# Altium PCB RHR075_GFC_ECAT_DNET_RS485_ALL_rev5.PcbDoc (part 4 of 4)
Units mil, origin at the board's own origin, x right, y up, seen from the top; angles counter-clockwise.
Board outline 4724.41 x 5905.51 mil, 4 copper layers (Top Layer, GND, Mid-Layer 1, Bottom Layer); 386 components, 228 nets, 1523 pads, 966 vias.
Unrouted connection lines stored in the file: 1.
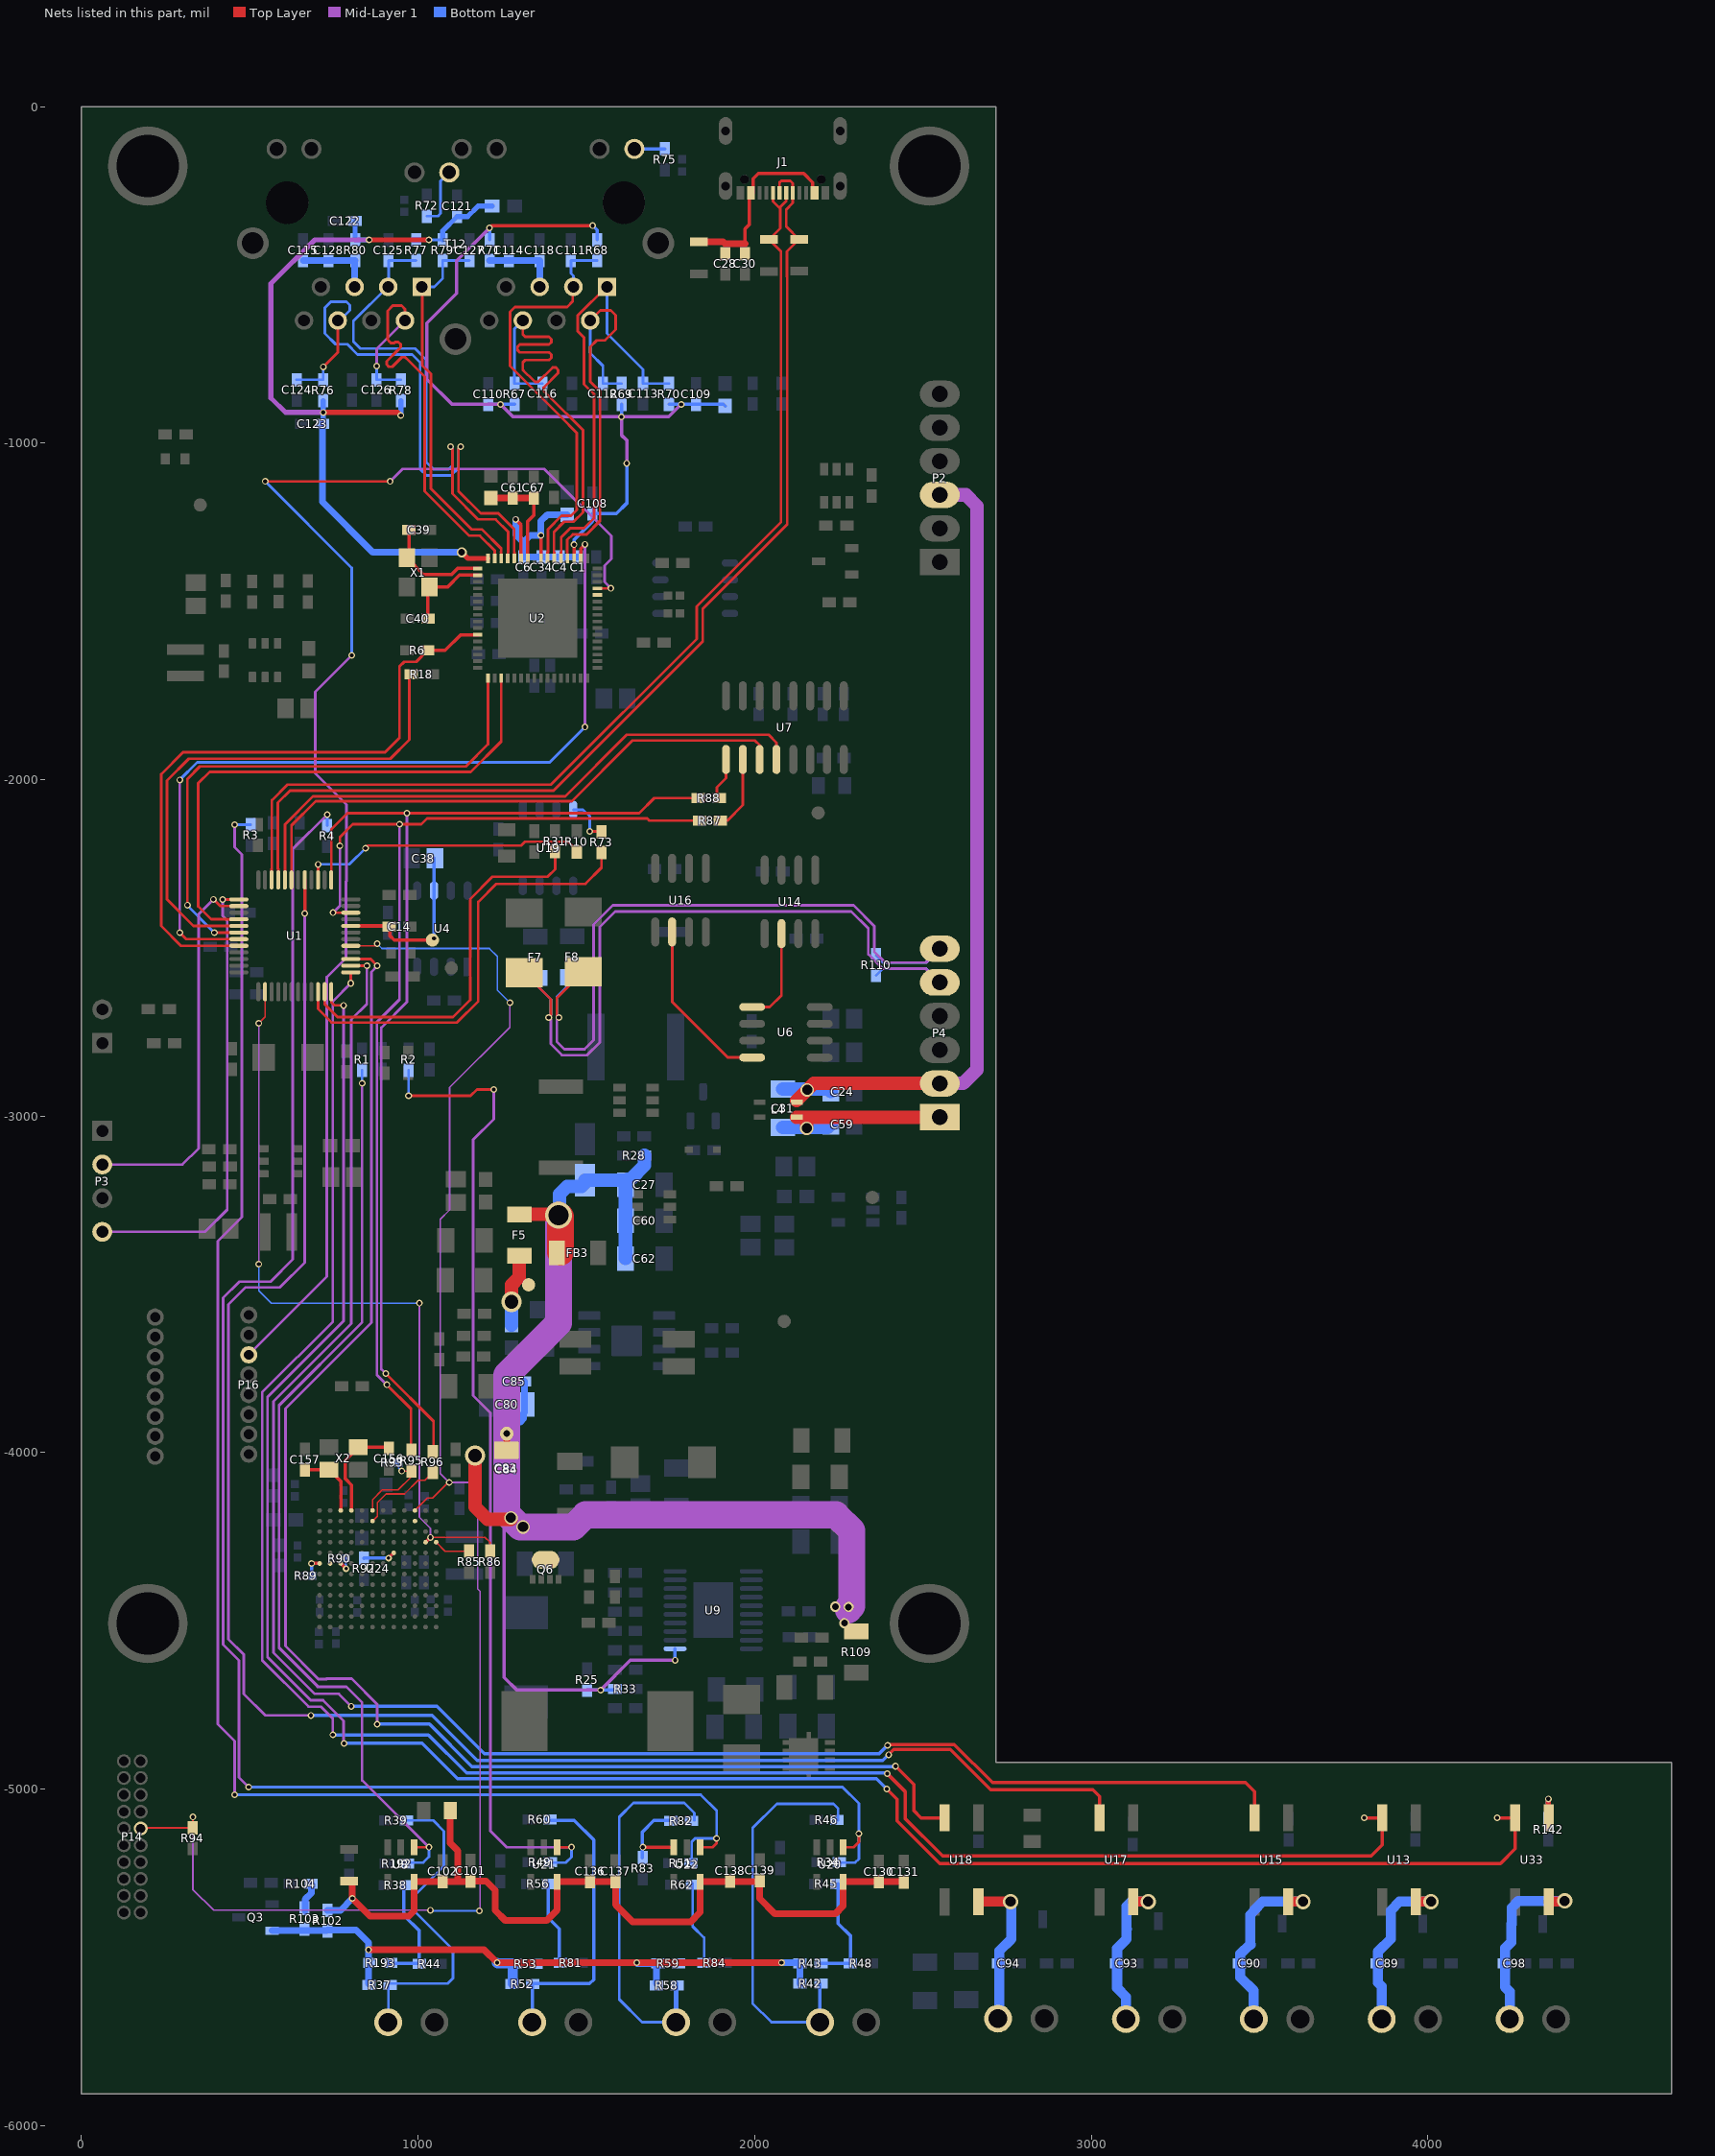
[diagram p6: the nets of this part, all layers, seen from the top]

## Via types
v1: diameter 20, hole 12, Top Layer to Bottom Layer, tented both sides, 860 vias
v2: diameter 30, hole 20, Top Layer to Bottom Layer, tented both sides, 27 vias
v3: diameter 19.68, hole 9.84, Top Layer to Bottom Layer, 25 vias
v4: diameter 20, hole 10, Top Layer to Bottom Layer, tented both sides, 20 vias
v5: diameter 45, hole 30, Top Layer to Bottom Layer, tented both sides, 13 vias
v6: diameter 40, hole 30, Top Layer to Bottom Layer, tented both sides, 8 vias
v7: diameter 24, hole 12, Top Layer to Bottom Layer, 4 vias
v8: diameter 19.68, hole 7.87, Top Layer to Bottom Layer, 4 vias
v9: diameter 60, hole 40, Top Layer to Bottom Layer, tented both sides, 2 vias
v10: diameter 40, hole 20, Top Layer to Bottom Layer, tented both sides, 1 vias
v11: diameter 80, hole 60, Top Layer to Bottom Layer, tented both sides, 1 vias
v12: diameter 40, hole 25, Top Layer to Bottom Layer, tented both sides, 1 vias

## Nets (pads, with @x,y where several pads share a name; then routed paths per layer and width w, separated by ;. In a path a pad name is that pad's centre, name@x,y a point inside that pad or via, vN(x,y) a via of type N, cw(c..) or ccw(c..) an arc to the next point about the centre after c; other vN are vias at no path point) (continued)
NetR72_2: R72.2 T12.B9 | length 176.9
  Bottom Layer w8: R72.2@1026.46,-325.98 1059.02,-325.98 1067,-318 1067,-221.7 T12.B9@1092.95,-195.75
NetR73_1: R73.1 U19.4 | length 137.2
  Top Layer w8: v1(1510,-2154) 1544.87,-2154 R73.1@1545.31,-2153.56
  Bottom Layer w8: U19.4@1461.31,-2089.56 1490.56,-2089.56 1510,-2109 v1(1510,-2154)
NetR75_2: R75.2 T12.A9 | length 90.1
  Bottom Layer w10: T12.A9@1642.95,-126.06 1732.95,-126.06 R75.2@1733,-126.02
NetR82_1: R82.1 R83.1 U22.3 | length 280.2
  Top Layer w10: v1@1667,-5172 v1(1667.82,-5172.82) U22.3@1759.63,-5172.82
  Bottom Layer w10: R83.1@1667,-5205 1667,-5127 1701,-5093 R82.1@1762.16,-5093
NetR87_1: R87.1 U7.10 | length 228.6
  Top Layer w8: R87.1@1891,-2122 1919,-2122 1965,-2076 U7.10@1965,-1940.49
NetR88_1: R88.1 U7.9 | length 125.7
  Top Layer w8: R88.1@1888,-2055 1888,-2023 1915,-1996 U7.9@1915,-1940.49
NetR89_2: R89.2 U24.G12 | length 60.4
  Top Layer w10: v1(683.98,-4329.51) U24.G12@707.51,-4329.51
  Bottom Layer w10: v1(683.98,-4329.51) 683.98,-4364.95 R89.2@685.03,-4366
NetR103_2: R103.2 R104.1 | length 88.4
  Bottom Layer w20: R103.2@665,-5361.89 665,-5327 683,-5309 R104.1@683,-5280.94
NetR142_1: R142.1 U33.1 | length 124.9
  Top Layer w15: v1(4358,-5029) 4358,-5083.51 U33.1@4360,-5085.51
  Bottom Layer w15: R142.1@4358,-5096.51 v1(4358,-5029)
NetU6_1: U6.1 U14.6 | length 284.9
  Top Layer w8: U6.1@1992.61,-2676 2045,-2676 2080,-2641 U14.6@2080,-2458
NetU6_4: U6.4 U16.2 | length 514
  Top Layer w8: U16.2@1755,-2453 1755,-2661 1920,-2826 U6.4@1992.61,-2826
"NETX 90_RUN": R86.1 U1.2 U24.J2 | length 2343.5
  Top Layer w5: v1@527,-2721 v1(527,-2724) 545.42,-2705.58 U1.2@545.42,-2630.85 ; v1(1036.99,-4252) 1199,-4252 1214,-4267 R86.1@1214,-4293.02
  Top Layer w10: U24.J2@1022.47,-4266.52 v1(1036.99,-4252)
  Mid-Layer 1 w5: v1(527,-3440) v1(527,-2724) ; 1004,-4099 1004,-4086 ; v1(1004,-3556) 1004,-4086 ; v1(1036.99,-4252) 1036.99,-4224.79 1004,-4191.8 1004,-4086
  Bottom Layer w5: v1(527,-3440) 527,-3519 564,-3556 v1(1004,-3556)
PHY0_RCT: C114.1 C118.1 R71.2 T12.A5 | length 226.9
  Bottom Layer w20: R71.2@1212.46,-457.98 C114.1@1270.46,-457.98 C118.1@1361.46,-457.98 T12.A5@1361.46,-535.91
PHY0_RX_N: C116.1 R67.1 T12.A6 U2.54 | length 1584.9
  Top Layer w8: T12.A6@1311.46,-635.91 1311.46,-673 1311.46,-677.6 1318.36,-684.5 1389.21,-684.5 1396.11,-691.4 1396.11,-700.6 1389.21,-707.5 1311.46,-707.5 1302.36,-707.5 1295.46,-714.4 1295.46,-723.6 1302.36,-730.5 1311.46,-730.5 1389.21,-730.5 1396.11,-737.4 1396.11,-746.6 1389.21,-753.5 1318.36,-753.5 1311.46,-760.4 1311.46,-776.5 1311.46,-782.91 1319.59,-791.04 1335.85,-807.3 1347.24,-818.69 1357,-818.69 1399.91,-775.78 1409.66,-775.78 1416.17,-782.28 1416.17,-792.04 1373.26,-834.95 1373.26,-844.71 1387.78,-859.22 1490,-961.45 1490,-1206 1462,-1234 1434,-1234 1403.85,-1264.15 1403.85,-1323.67 1404.69,-1324.51 U2.54@1404.69,-1342.91
  Bottom Layer w8: T12.A6@1311.46,-635.91 1286.46,-660.91 R67.1@1286.46,-823.02 C116.1@1369.46,-823.02
PHY0_RX_P: C111.1 R68.1 T12.A3 U2.55 | length 1336.9
  Top Layer w8: U2.55@1385.01,-1342.91 1385.01,-1324.51 1385.85,-1323.67 1385.85,-1256.69 1426.54,-1216 1454.54,-1216 1472,-1198.54 1472,-970 1423,-921 ; T12.A3@1461.46,-535.91 1459.76,-537.61 1459.76,-579 1442.77,-595.98 1288.02,-595.98 1273.45,-610.55 1273.45,-771.45 1423,-921 ; 1471,-969 1423,-921
  Bottom Layer w8: T12.A3@1461.46,-535.91 1461.46,-503.46 1454.46,-496.46 C111.1@1454.46,-457.98 R68.1@1532.46,-457.98
PHY0_TX_N: C112.1 R69.1 T12.A2 U2.52 | length 1196.9
  Top Layer w8: U2.52@1444.06,-1342.91 1444.06,-1324.51 1443.22,-1323.67 1443.22,-1287.78 1459.78,-1271.22 1500.78,-1271.22 1541,-1231 1541,-847 1511.46,-817.46 1511.46,-714.54 1531,-695 1555,-695 1555.5,-694.5 1587,-663 1587,-620 1573,-606 1541.36,-606 T12.A2@1511.46,-635.91
  Bottom Layer w8: T12.A2@1511.46,-635.91 1511.46,-732.46 1549.46,-770.46 C112.1@1549.46,-823.02 R69.1@1604.46,-823.02
PHY0_TX_P: C113.1 R70.1 T12.A1 U2.53 | length 1345.1
  Top Layer w8: U2.53@1424.38,-1342.91 1424.38,-1324.51 1425.22,-1323.67 1425.22,-1280.32 1452.32,-1253.22 1493.32,-1253.22 1523,-1223.54 1523,-905 ; 1523,-897 1523,-905 ; T12.A1@1561.46,-535.91 1559.76,-535.91 1474.9,-620.76 1474.9,-668 1493.46,-686.56 1493.46,-824.91 1523,-854.46 1523,-905
  Bottom Layer w8: T12.A1@1561.46,-535.91 1561.46,-674.46 1668.46,-781.46 C113.1@1668.46,-823.02 R70.1@1745.46,-823.02
PHY1_RCT: C115.1 C128.1 R80.2 T12.B5 | length 242.8
  Bottom Layer w20: C115.1@658.46,-457.98 C128.1@734.46,-457.98 R80.2@813.46,-457.98 811.46,-459.98 T12.B5@811.46,-544.91
PHY1_RX_N: C124.1 R76.1 T12.B6 U2.60 | length 1764.8
  Top Layer w8: v1(718.46,-773.46) 761.46,-730.46 T12.B6@761.46,-635.91 ; v1(1126.42,-1011) 1120.42,-1017 1120.42,-1143.12 1186.3,-1209 1238.46,-1209 1285.74,-1256.28 1285.74,-1323.67 1286.58,-1324.51 U2.60@1286.58,-1342.91
  Bottom Layer w8: C124.1@639.46,-812.02 R76.1@718.46,-812.02 v1(718.46,-773.46) ; T12.B6@761.46,-635.91 767.09,-635.91 797,-606 797,-590 787,-580 741,-580 723,-598 723,-674 755.46,-706.46 790,-706.46 820.54,-737 983,-737 1006,-760 1006,-1077 1025,-1096 1098.46,-1096 1120.42,-1074.04 1120.42,-1017 v1(1126.42,-1011)
PHY1_RX_P: C125.1 R77.1 T12.B3 U2.61 | length 1493.7
  Top Layer w8: v1(1096.42,-1011) 1102.42,-1017 1102.42,-1150.58 1178.84,-1227 1231,-1227 1267.74,-1263.74 1267.74,-1323.67 1266.9,-1324.51 U2.61@1266.9,-1342.91
  Bottom Layer w8: T12.B3@911.46,-535.91 T12.B3@909.76,-535.91 ; R77.1@994.46,-457.98 C125.1@912.46,-457.98 912.46,-533.21 T12.B3@909.76,-535.91 ; v1(1096.42,-1011) 1102.42,-1017 1102.42,-1066.58 1091,-1078 1046,-1078 1024,-1056 1024,-752.54 990.46,-719 828,-719 808,-699 808,-637.66 T12.B3@909.76,-535.91
PHY1_TX_N: C126.1 R78.1 T12.B2 U2.63 | length 1384.5
  Top Layer w8: T12.B2@961.46,-635.91 961.46,-602.46 951,-592 925,-592 910,-607 910,-693 916.21,-699.21 919.46,-702.46 929.22,-702.46 931.9,-699.78 941.66,-699.78 948.17,-706.29 948.17,-716.05 940.61,-723.61 907.23,-756.99 907.23,-766.75 913.73,-773.25 923.49,-773.25 951.99,-744.75 961.75,-744.75 971,-754 1020,-803 1020,-1143 1152.42,-1275.42 1183.42,-1275.42 1227.53,-1319.53 1227.53,-1324.51 ; U2.63@1227.53,-1342.91 1227.53,-1324.51 ; 1228.37,-1323.67 1227.53,-1324.51
  Mid-Layer 1 w8: v1(877,-771) 877,-720.36 T12.B2@961.46,-635.91
  Bottom Layer w8: v1(877,-771) C126.1@877,-812.02 R78.1@949,-812.02
PHY1_TX_P: C127.1 R79.1 T12.B1 U2.62 | length 1128.1
  Top Layer w8: T12.B1@1011.46,-535.91 1013.02,-537.47 1013.02,-769.56 1038,-794.54 1038,-1135.54 1158.9,-1256.45 1189.9,-1256.45 1247.21,-1313.76 1247.21,-1324.51 ; 1246.37,-1323.67 1247.21,-1324.51 ; U2.62@1247.21,-1342.91 1247.21,-1324.51
  Bottom Layer w8: T12.B1@1011.46,-535.91 1048.09,-535.91 1073.46,-510.54 R79.1@1073.46,-457.98 C127.1@1152.46,-457.98
PROC_RST: R6.2 U1.44 U2.11 | length 1942.8
  Top Layer w8: U1.44@467.66,-2494.04 296.04,-2494.04 237,-2435 237,-1984 302,-1919 902,-1919 945,-1876 945,-1664 959,-1650 994.93,-1650 R6.2@1028.46,-1616.47
  Top Layer w10: R6.2@1028.46,-1616.47 1080.53,-1616.47 1127.32,-1569.68 U2.11@1177.92,-1569.68
PT1_1: P1.2 R37.1 R39.2 | length 955.8
  Bottom Layer w8: P1.2@911.2,-5693 912,-5692.2 912,-5578 1088,-5578 1104,-5562 1104,-5477 993,-5366 993,-5313 1077,-5229 1077,-5125 1045,-5093 R39.2@966.22,-5093
PT1_2: R38.2 R44.2 R193.1 | length 347.9
  Bottom Layer w10: R193.1@912,-5518 1003.94,-5518 1003.94,-5420.94 958.22,-5375.22 R38.2@958.22,-5281
PT2_1: P6.2 R52.1 R60.2 | length 868.6
  Bottom Layer w10: P6.2@1338.87,-5693 1339.5,-5692.37 1339.5,-5578 1370.48,-5578 1510,-5578 1522,-5566 1522,-5151 1464,-5093 R60.2@1395.2,-5093
PT2_2: R53.1 R56.2 R81.2 | length 330.5
  Bottom Layer w10: R53.1@1340,-5518 1419.94,-5518 1419.94,-5414.94 1387.2,-5382.2 R56.2@1387.2,-5281
PT3_1: P8.2 R58.1 R82.2 | length 1128.4
  Bottom Layer w8: P8.2@1767,-5692.54 1665.54,-5692.54 1598,-5625 1598,-5083 1640,-5041 1791,-5041 1821.22,-5071.22 R82.2@1821.22,-5093
  Bottom Layer w15: P8.2@1767,-5692.54 R58.1@1767,-5578
PT3_2: R59.1 R62.2 R84.2 | length 385.9
  Bottom Layer w8: R59.1@1767,-5518 R84.2@1849.94,-5518 ; 1797.98,-5518 R84.2@1849.94,-5518 ; R62.2@1816.06,-5281 1816.06,-5408.06 1849.94,-5441.94 R84.2@1849.94,-5518
PT4_1: P5.2 R42.1 R46.2 | length 1184.2
  Bottom Layer w8: P5.2@2194.2,-5693 2050,-5693 1994,-5637 1994,-5116 2066,-5044 2234,-5044 2248.22,-5058.22 R46.2@2248.22,-5093
  Bottom Layer w10: R42.1@2194,-5578 2194.2,-5578.2 P5.2@2194.2,-5693
PT4_2: R43.1 R45.2 R48.2 | length 343.2
  Bottom Layer w10: R43.1@2194,-5518 R48.2@2284.94,-5518 2284.94,-5435.94 2248.22,-5399.22 R45.2@2248.22,-5281
PT_VREF: Q3.2 R37.2 R42.2 R43.2 R52.2 R53.2 R58.2 R59.2 R102.2 R103.1 R193.2 | length 2006
  Top Layer w20: v1(852.94,-5478) 1197,-5478 v1(1235,-5516) v1(1650,-5516) v1(2080,-5516)
  Bottom Layer w20: Q3.2@566,-5420.69 664.74,-5420.69 665,-5420.94 729.06,-5420.94 731,-5419 816,-5419 852.94,-5455.94 v1(852.94,-5478) 852.94,-5518 R37.2@852.94,-5578 ; v1(1650,-5516) 1652,-5518 1707.94,-5518 R58.2@1707.94,-5578 ; v1(2080,-5516) R43.2@2132.94,-5516 ; R42.2@2134.94,-5578 R43.2@2134.94,-5518
  Bottom Layer w30: v1(1235,-5516) 1237,-5518 1280.94,-5518 R52.2@1280.94,-5577.5
RDY: R85.1 U24.J1 | length 109
  Top Layer w5: U24.J1@1053.97,-4266.52 1080.46,-4293.02 R85.1@1152,-4293.02
RELAY1-: C98.1 D59.1 P7.2 U33.4 | length 555
  Top Layer w30: U33.4@4360,-5334.51 v5@4404.49,-5334.51
  Bottom Layer w30: 4230,-5473 4247.51,-5455.49 D59.1@4247.51,-5401 ; 4230.5,-5473.5 4228.94,-5475.06 4228.94,-5518.49 4228.94,-5587.94 4243.2,-5602.2 P7.2@4243.2,-5683.51 ; D59.1@4249.1,-5401 4249.1,-5352.9 4270,-5332 v5(4407,-5332)
RELAY2-: C89.1 D3.1 P10.2 U13.4 | length 521.4
  Top Layer w30: U13.4@3965,-5334.51 v5(4009.49,-5334.51) v5@4012,-5332
  Bottom Layer w30: P10.2@3863.2,-5683.51 3863.2,-5586.2 3852,-5575 3852,-5518.49 3852,-5483 3890.1,-5444.9 D3.1@3890.1,-5400.51 3890.1,-5360.9 3916.49,-5334.51 v5(4009.49,-5334.51)
RELAY3-: C90.1 D4.1 P11.2 U15.4 | length 562.8
  Top Layer w30: U15.4@3585,-5334.51 v5(3629.49,-5334.51) v5@3632,-5332
  Bottom Layer w30: 3474,-5462 3472.51,-5460.51 ; P11.2@3483.2,-5683.51 3483.2,-5599.2 3442.94,-5558.94 3442.94,-5518.49 3442.94,-5490.06 3472.51,-5460.49 ; 3485,-5359 3509.49,-5334.51 v5(3629.49,-5334.51) ; 3486,-5360 3472.51,-5373.49 D4.1@3472.51,-5400 3472.51,-5460.49
RELAY4-: C93.1 D7.1 P12.2 U17.4 | length 475.9
  Top Layer w30: U17.4@3125,-5334.51 v5(3169.49,-5334.51) v5@3172,-5332
  Bottom Layer w30: P12.2@3103.2,-5683.51 3103.2,-5617.2 3077,-5591 3077,-5518.49 3077,-5474 3105.1,-5445.9 D7.1@3105.1,-5416 ; D7.1@3106,-5416 3105.1,-5415.1 3105.1,-5348.9 3119.49,-5334.51 v5(3169.49,-5334.51)
RELAY5-: C94.1 D10.1 P13.2 U18.4 | length 459.8
  Top Layer w30: U18.4@2665,-5334.51 v5(2760.51,-5334.51)
  Bottom Layer w30: P13.2@2723.2,-5682 2726.94,-5678.26 2726.94,-5518.49 2726.94,-5481.06 2762.1,-5445.9 2762.1,-5400.51 2762.1,-5336.1 v5(2760.51,-5334.51)
RELAY_CTRL_1: U1.12 U33.2 | length 6300.7
  Top Layer w8: U1.12@742.27,-2630.85 742.27,-2661.27 752,-2671 v1(779,-2671)
  Top Layer w10: v1(2393,-5000) 2423.5,-5030.5 2423.5,-5094.5 2550,-5221 4216,-5221 4260,-5177 U33.2@4260,-5085.51 v1(4206.49,-5085.51)
  Mid-Layer 1 w8: v1@779,-4863 779,-4797 718,-4736 681,-4736 553,-4608 553,-3835 779,-3609 v1(779,-2671)
  Bottom Layer w10: v1(780,-4864) 1012,-4864 1117,-4969 2362,-4969 v1(2393,-5000)
RELAY_CTRL_2: U1.13 U13.2 | length 5945
  Top Layer w8: v1(800.34,-2605.34) U1.13@800.34,-2572.78
  Top Layer w10: v1(2394,-4954) 2447,-5007 2447,-5087 2559,-5199 3832,-5199 3865,-5166 U13.2@3865,-5085.51 v1(3811.49,-5085.51)
  Mid-Layer 1 w8: v1(747,-4839) 747,-4791 711,-4755 675,-4755 537,-4617 537,-3821 747,-3611 747,-2658.68 v1(800.34,-2605.34)
  Bottom Layer w10: v1(747,-4839) 1031,-4839 1144,-4952 2384.93,-4952 2385.02,-4952.09 2392.09,-4952.09 v1(2394,-4954)
RELAY_CTRL_3: U1.14 U15.2 | length 5389.8
  Top Layer w8: U1.14@800.34,-2553.09 v1(848.09,-2553.09)
  Top Layer w10: v1(2395,-4870) 2396.91,-4868.09 2406.7,-4868.09 2407.29,-4867.5 2593.5,-4867.5 2707,-4981 3458,-4981 3485,-5008 U15.2@3485,-5085.51
  Mid-Layer 1 w8: v1(802,-4754) 765,-4717 693,-4717 571,-4595 571,-3848 802,-3617 802,-2713 848.09,-2666.91 v1(848.09,-2553.09)
  Bottom Layer w10: v1(802,-4754) 1056,-4754 1197,-4895 2370,-4895 v1(2395,-4870)
RELAY_CTRL_4: U1.29 U17.2 | length 5350.8
  Top Layer w10: v1(663.53,-2398) U1.29@663.53,-2298.17 ; v1(2398,-4898) 2413.5,-4882.5 2581.5,-4882.5 2701,-5002 3005,-5002 3025,-5022 U17.2@3025,-5085.51
  Mid-Layer 1 w8: v1(663.53,-2398) 663.53,-3435.47 590,-3509 488,-3509 437,-3560 437,-4555 482,-4600 482,-4717 546,-4781 v1(682,-4781)
  Bottom Layer w10: v1(682,-4781) 1042,-4781 1176,-4915 2381,-4915 v1(2398,-4898)
RELAY_CTRL_5: U1.15 U18.2 | length 4473.8
  Top Layer w8: U1.15@800.34,-2533.41 859.41,-2533.41 v1(879,-2553)
  Top Layer w10: v1(2419,-4932) 2473,-4986 2473,-5064 2494.51,-5085.51 U18.2@2565,-5085.51
  Mid-Layer 1 w8: 728,-4673 704,-4673 606,-4575 606,-3869 861.12,-3613.88 861.12,-2571.87 879,-2553.99 v1(879,-2553) ; 728,-4672 803,-4672 879,-4748 v1(879,-4807)
  Bottom Layer w10: v1(879,-4807) 1034,-4807 1160,-4933 2418,-4933 v1(2419,-4932)
RS485_EN: R10.2 U1.27 | length 854
  Top Layer w8: U1.27@702.9,-2298.17 v1(702.9,-2251.9) ; v1(844,-2204) 852,-2196 1306,-2196 1317,-2185 1446.69,-2185 R10.2@1472.31,-2210.61
  Bottom Layer w8: v1(702.9,-2251.9) 796.1,-2251.9 v1(844,-2204)
RS485_N: D79.2 F7.2 P4.5 R110.1 | length 2259
  Top Layer w8: D79.2@1315.31,-2573.72 1394.31,-2652.72 1394.31,-2701 v1(1388.31,-2707)
  Mid-Layer 1 w8: v1(1388.31,-2707) 1394.31,-2713 1394.31,-2785.76 1427.54,-2819 1502.46,-2819 1540,-2781.46 1540,-2438 1586,-2392 2287,-2392 2338,-2443 2338,-2519.46 2380.54,-2562 2509,-2562 P4.5@2550,-2603
  Bottom Layer w8: F7.2@1346.2,-2604.62 1394.31,-2652.72 v1@1394.31,-2700 ; R110.1@2361,-2581.98 2381,-2562 2509,-2562 P4.5@2550,-2603
RS485_P: D78.2 F8.2 P4.6 R110.2 | length 2228.4
  Top Layer w8: v1@1412.31,-2701 1412.31,-2649.72 D78.2@1491.31,-2570.72
  Mid-Layer 1 w8: v1@1412.31,-2713 1412.31,-2778.31 1435,-2801 1495,-2801 1522,-2774 1522,-2430.54 1578.54,-2374 2294.46,-2374 2356,-2435.54 2356,-2512 2388,-2544 2509,-2544 P4.6@2550,-2503
  Bottom Layer w8: v1(1418.31,-2707) 1412.31,-2701 1412.31,-2646.51 F8.2@1458.31,-2600.51 ; R110.2@2361,-2522.94 2382.06,-2544 2509,-2544 P4.6@2550,-2503
RS485_RXD: R31.2 U1.11 | length 1152.2
  Top Layer w8: U1.11@722.58,-2630.85 722.58,-2667.58 761,-2706 1104,-2706 1155,-2655 1155,-2355 1221,-2289 1385,-2289 1407.31,-2266.69 R31.2@1407.31,-2209.61
RS485_TXD: R73.2 U1.10 | length 1322.6
  Top Layer w8: U1.10@702.9,-2630.85 702.9,-2681.9 743,-2722 1116,-2722 1179,-2659 1179,-2364 1233,-2310 1497,-2310 1545.31,-2261.69 R73.2@1545.31,-2212.61
RST_IN_N: P14.10 R94.1 U1.17 U24.M3 | length 4883.6
  Top Layer w5: P14.10@176,-5117 177.98,-5115.02 R94.1@331,-5115.02 v1(331,-5083) ; U1.17@800.34,-2494.04 872.96,-2494.04 v1(879,-2488) ; U24.M3@990.98,-4172.03 1028.01,-4135 1043.25,-4135 1089.25,-4089 v1(1093,-4089)
  Mid-Layer 1 w5: v1(331,-5083) 331,-5298 393,-5360 v1(1037,-5360) ; v1(1182,-5362) 1184.5,-5359.5 1184.5,-4412.5 1177.25,-4405.25 1177.25,-4114.25 1152,-4089 v1(1093,-4089) 1066,-4062 1066,-3307 1094,-3279 1094,-2915 1273,-2736 v1(1273,-2663)
  Bottom Layer w5: v1(879,-2488) 893,-2502 1212,-2502 1236,-2526 1236,-2626 v1(1273,-2663) ; v1@1045,-5362 v1(1182,-5362)
RST_OUT_N: U24.L3
RUN: P16.3 U2.45 | length 4257.7
  Top Layer w8: v1(546,-1114) v1(917,-1114) ; U2.45@1533.04,-1431.89 1533.1,-1431.94 1572.94,-1431.94 v1(1573,-1432)
  Mid-Layer 1 w8: P16.3@497,-3709.41 729,-3477.41 729,-2691 ; 729,-2676 729,-2691 ; v1(803,-1631) 695,-1739 695,-1982 787,-2074 787,-2301.64 786,-2302.64 786,-2530 729,-2587 729,-2691 ; v1(917,-1114) 954,-1077 1375,-1077 1574,-1276 1574,-1344 1554,-1364 1554,-1413 v1(1573,-1432)
  Bottom Layer w8: v1(546,-1114) 803,-1371 v1(803,-1631)
SENSOR_3V3: C101.1 C102.1 C130.1 C131.1 C136.1 C137.1 C138.1 C139.1 D13.2 FB14.1 R102.1 U8.5 U20.5 U21.5 U22.5 | length 2651.2
  Top Layer w10: 1118,-5275.18 1118,-5269
  Top Layer w20: D13.2@795,-5273.74 802.2,-5273.74 805,-5276.54 v1(805,-5325) 857,-5377 973,-5377 988.37,-5361.63 U8.5@988.37,-5275.18 1118,-5275.18 1153.8,-5275.18 C101.1@1156,-5272.98 1201.98,-5272.98 1229,-5300 1229,-5360 1260,-5391 1382,-5391 1413.37,-5359.63 U21.5@1413.37,-5275.18 1586.8,-5275.18 C137.1@1587,-5274.98 1587,-5344 1637,-5394 1811,-5394 1838.37,-5366.63 U22.5@1838.37,-5275.18 2011.8,-5275.18 C139.1@2015,-5271.98 2015,-5325 2061,-5371 2239.37,-5371 2263.37,-5347 U20.5@2263.37,-5275.18 2442.2,-5275.18 C131.1@2443,-5275.98 ; FB14.1@1096,-5064 1096,-5161 1118,-5183 1118,-5269
  Bottom Layer w20: R102.1@731,-5359.94 770.06,-5359.94 v1(805,-5325)
SPI3_IRQ: U2.44
SPI_CS: U1.43 U2.50 | length 2496.8
  Top Layer w8: v1(292,-2455) 311.35,-2474.35 U1.43@467.66,-2474.35